# Altium PCB CB3-ECB_PCB.PcbDoc (part 4 of 4)
Units mm, origin at the board's own origin, x right, y up, seen from the top; angles counter-clockwise.
Board outline 205.5 x 149.67 mm, 4 copper layers (Top Layer, Layer 1, Layer 2, Bottom Layer), stack 1.56 mm thick; 352 components, 259 nets, 1548 pads, 901 vias.
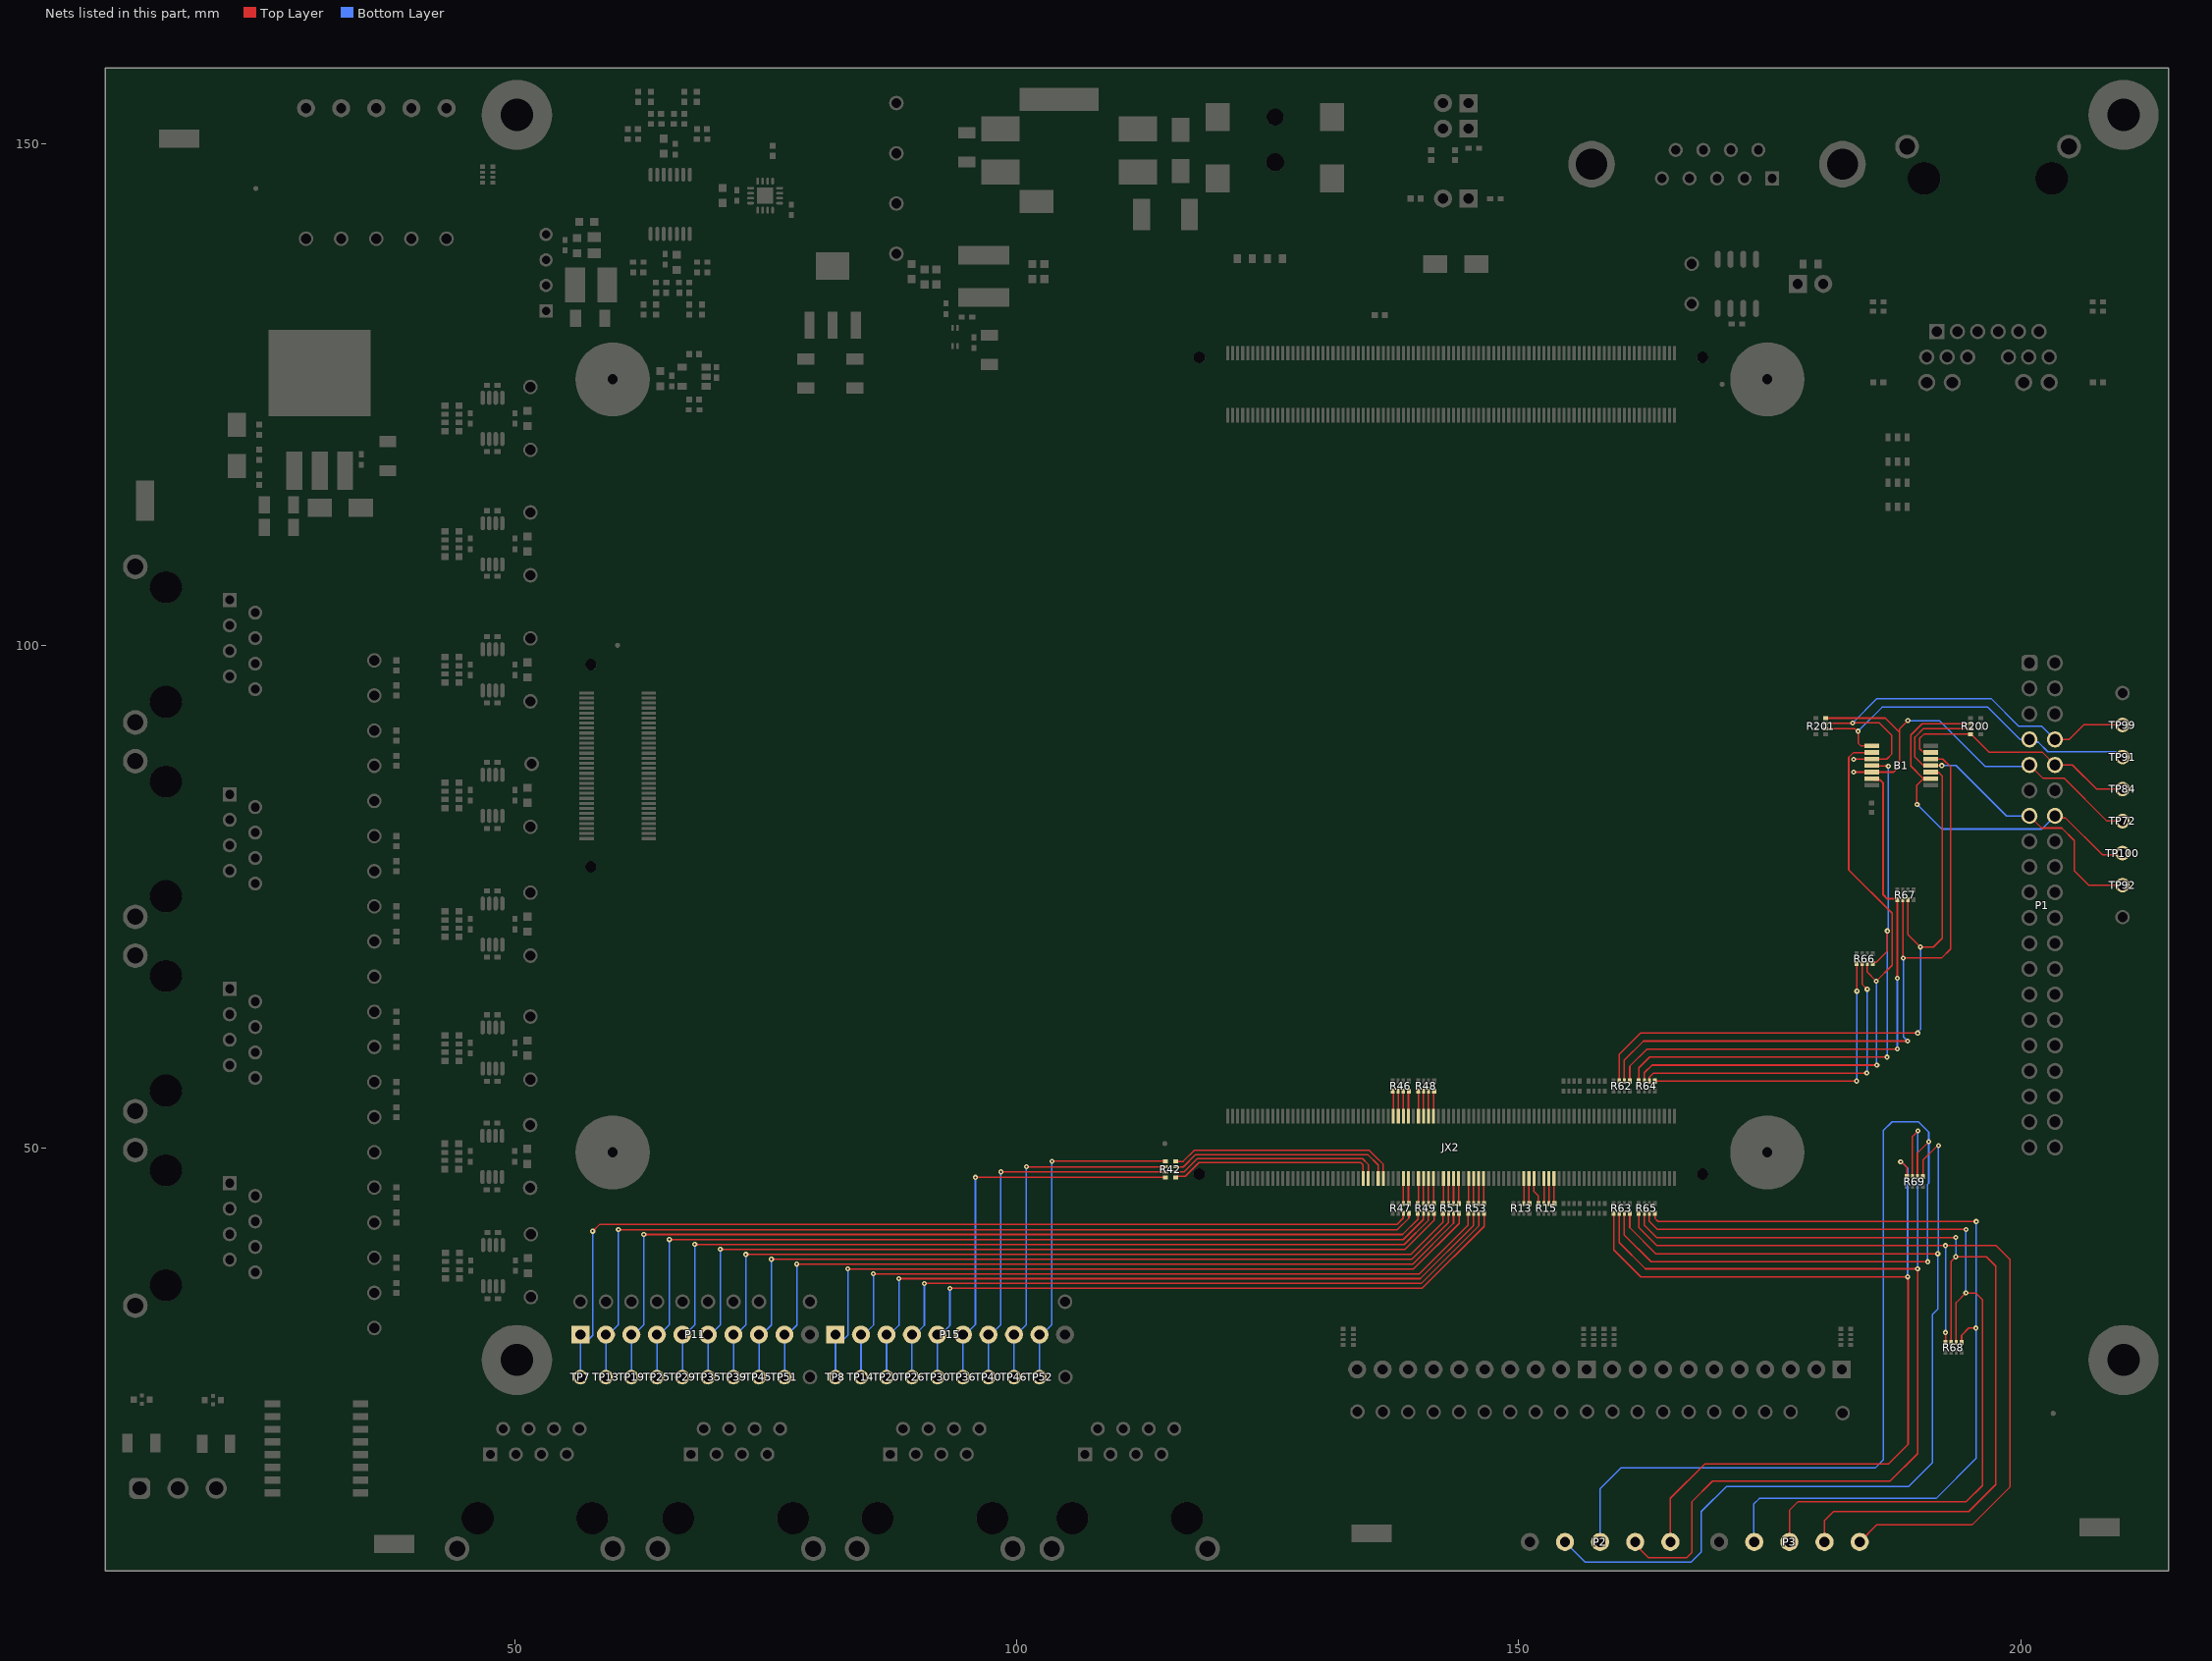
[diagram p6: the nets of this part, all layers, seen from the top]

## Via types
v1: diameter 0.508, hole 0.2, Top Layer to Bottom Layer, 457 vias
v2: diameter 0.508, hole 0.2, Top Layer to Bottom Layer, tented both sides, 440 vias
v3: diameter 0.508/0.508/0.508/0.508 (per signal layer), hole 0.2, Top Layer to Bottom Layer, tented both sides, 3 vias
v4: diameter 0.66, hole 0.33, Top Layer to Bottom Layer, tented both sides, 1 vias

## Nets (pads, with @x,y where several pads share a name; then routed paths per layer and width w, separated by ;. In a path a pad name is that pad's centre, name@x,y a point inside that pad or via, vN(x,y) a via of type N, cw(c..) or ccw(c..) an arc to the next point about the centre after c; other vN are vias at no path point) (continued)
PWM-1: B1.3 R62.3 R67.3 | length 67.2
  Top Layer w0.152: R62.3@160.005,56.646 160.005,59.317 162.122,61.434 v2(189.728,61.434) ; R67.3@188.75,74.7 188.75,71.25 v2(190,70) 191.3,70 192.175,70.875 192.175,87.025 191.775,87.425 B1.3@191.038,87.425
  Bottom Layer w0.152: v2(189.728,61.434) 189.728,61.53 190,61.802 v2(190,70)
PWM-2: B1.5 R62.2 R67.2 | length 70.8
  Top Layer w0.152: R62.2@160.505,56.646 160.505,58.725 162.416,60.635 v2(188.712,60.635) ; R67.2@188.25,74.7 188.275,74.675 188.275,68.925 v2(188.3,68.9) 192.1,68.9 193,69.8 193,87.95 192.225,88.725 B1.5@191.038,88.725
  Bottom Layer w0.152: v2(188.3,68.9) 188.3,61.047 v2(188.712,60.635)
PWM-3: B1.13 R62.1 R67.1 | length 57.4
  Top Layer w0.152: R62.1@161.055,56.646 161.055,58.132 162.76,59.837 v2(187.696,59.837) ; v2(187.7,66.9) 187.7,74.392
  Top Layer w0.203: B1.13@185.162,86.775 185.285,86.652 185.957,86.652 186.3,86.309 186.3,75.198 186.7,74.798 187.602,74.798 R67.1@187.7,74.7
  Bottom Layer w0.152: v2(187.696,59.837) 187.698,59.839 187.698,66.898 v2(187.7,66.9)
PWM-4: B1.11 R64.4 R66.4 | length 61.2
  Top Layer w0.152: R64.4@161.955,56.646 161.955,57.965 163.029,59.039 v2(186.68,59.039) ; B1.11@185.162,88.075 185.2,88.037 186.763,88.037 v2(186.8,88) ; R66.4@185.253,68.342 185.253,68.345 185.377,68.469 185.593,68.469 186.7,69.576 v2(186.7,71.6)
  Bottom Layer w0.152: v2(186.68,59.039) 186.69,59.049 186.69,71.59 186.768,71.668 186.768,71.835 186.8,71.867 v2(186.8,88)
PWM-5: B1.9 R64.3 R66.3 | length 62.1
  Top Layer w0.152: R64.3@162.505,56.646 162.505,57.474 163.268,58.237 185.66,58.237 v2(185.668,58.244) ; R66.3@184.703,68.342 184.686,68.325 184.686,68.321 184.686,67.514 v2(185.6,66.6) 187.183,68.183 187.183,73.359 182.861,77.681 182.861,88.9 183.336,89.375 B1.9@185.162,89.375
  Bottom Layer w0.152: v2(185.6,66.6) 185.634,66.566 185.634,58.278 v2(185.668,58.244)
PWM-6: R64.2 R66.2 | length 33.3
  Top Layer w0.152: R64.2@163.005,56.646 163.005,57.034 163.417,57.446 v2@184.575,57.446 ; R66.2@184.203,68.342 184.186,68.325 184.186,66.314 v2(184.7,65.8)
  Bottom Layer w0.152: v2(184.652,57.446) 184.676,57.47 184.676,65.776 v2(184.7,65.8)
PWM-7: R64.1 R66.1 | length 31.8
  Top Layer w0.152: R64.1@163.555,56.646 v2(183.636,56.648) ; R66.1@183.653,68.342 183.664,68.331 183.664,65.611 v2(183.675,65.6)
  Bottom Layer w0.152: v2(183.636,56.648) 183.655,56.667 183.655,65.58 v2(183.675,65.6)
PWM-8: P2.1 R63.1 R69.4 | length 94.8
  Top Layer w0.152: R63.1@159.455,43.47 159.455,39.843 162.148,37.15 v2(188.725,37.15) 188.775,37.1 188.775,20.475 186.825,18.525 168.525,18.525 165.1,15.1 P2.1@165.1,10.75 P2.1@165.25,10.9 ; v2(188.025,48.619) 188.106,48.619 188.652,48.073 R69.4@188.652,47.151
  Bottom Layer w0.152: v2(188.025,48.619) 188.106,48.619 188.725,48 v2(188.725,37.15)
PWM-9: P2.2 R63.2 R69.3 | length 106.8
  Top Layer w0.152: R63.2@160.005,43.47 160.005,40.563 162.618,37.95 v2(189.725,37.95) 189.725,19.55 186.975,16.8 169.3,16.8 167.225,14.725 167.225,9.675 166.725,9.175 162.925,9.175 161.6,10.5 P2.2@161.6,10.75 ; R69.3@189.202,47.151 189.202,51.127 v2(189.75,51.675)
  Bottom Layer w0.152: v2(189.725,37.95) 189.737,37.962 189.737,51.663 v2(189.75,51.675)
PWM-10: P2.3 R63.3 R69.2 | length 123.2
  Top Layer w0.152: R63.3@160.505,43.47 160.505,41.333 163.188,38.65 v2(190.725,38.65) ; R69.2@189.702,47.151 189.702,49.477 v2(190.825,50.6)
  Bottom Layer w0.152: P2.3@158.1,10.75 158.1,16.05 160.162,18.112 185.487,18.112 186.325,18.95 186.325,51.75 187.175,52.6 189.8,52.6 190.825,51.575 v2(190.825,50.6) 190.825,46.469 190.706,46.351 190.706,38.669 v2(190.725,38.65)
PWM-11: P2.4 R63.4 R69.1 | length 112.4
  Top Layer w0.152: R63.4@161.055,43.47 161.055,42.053 163.658,39.45 v2(191.725,39.45) ; R69.1@190.252,47.151 190.252,48.772 191.712,50.231 v2(191.8,50.231)
  Bottom Layer w0.152: P2.4@154.6,10.75 156.625,8.725 167.15,8.725 168.175,9.75 168.175,13.775 170.675,16.275 188.825,16.275 191.175,18.625 191.175,33.389 191.725,33.939 v2(191.725,39.45) ; 191.8,39.717 v2(191.8,50.231)
PWM-12: P3.1 R65.1 R68.4 | length 89.2
  Top Layer w0.152: R65.1@161.955,43.47 161.955,42.06 163.747,40.268 v2(192.503,40.268) 197.532,40.268 198.9,38.9 198.9,16.2 195.175,12.475 185.675,12.475 P3.1@183.95,10.75 ; R68.4@192.503,30.623 v2(192.503,31.614)
  Bottom Layer w0.152: v2(192.503,31.614) v2(192.503,40.268)
PWM-13: P3.2 R65.2 R68.3 | length 90.1
  Top Layer w0.152: R65.2@162.505,43.47 162.505,42.302 163.741,41.066 v2(193.519,41.066) ; P3.2@180.45,10.75 180.45,12.875 181.35,13.775 194.8,13.775 197.5,16.475 197.5,38.225 196.575,39.15 v2(193.525,39.15) 193.053,38.678 R68.3@193.053,30.623
  Bottom Layer w0.152: v2(193.519,41.066) 193.522,41.064 193.522,39.153 v2(193.525,39.15)
PWM-14: P3.3 R65.3 R68.2 | length 88.1
  Top Layer w0.152: R65.3@163.005,43.47 163.005,42.667 163.808,41.865 v2(194.535,41.865) ; P3.3@176.95,10.75 176.95,13.9 177.825,14.775 194.575,14.775 196.175,16.375 196.175,34.875 195.5,35.55 v2(194.525,35.55) 193.553,34.578 R68.2@193.553,30.623
  Bottom Layer w0.152: v2(194.525,35.55) 194.53,35.555 194.53,41.86 v2(194.535,41.865)
PWM-15: P3.4 R65.4 R68.1 | length 86.5
  Top Layer w0.152: R65.4@163.555,43.47 163.555,42.982 163.874,42.663 v2(195.551,42.663) ; R68.1@194.103,30.623 194.103,31.334 194.819,32.05 v2(195.525,32.05)
  Bottom Layer w0.152: P3.4@173.45,10.75 173.4,10.8 173.4,14.525 173.95,15.075 191.55,15.075 195.525,19.05 v2(195.525,32.05) 195.538,32.063 195.538,42.65 v2(195.551,42.663)
PWM_U_H: B1.2 P1.14 R200.2 TP100.1 | length 38.6
  Top Layer w0.152: v2(189.675,84.2) 189.65,84.225 189.65,86.124 B1.2@190.301,86.775 ; B1.2@191.038,86.775 B1.2@190.301,86.775 ; R200.2@195,92.25 190.175,92.25 189.05,91.125 189.05,88.026 B1.2@190.301,86.775 ; P1.14@203.4,83.06 203.589,82.871 204.429,82.871 208.125,79.175 209.946,79.175 TP100.1@210.125,79.354
  Bottom Layer w0.152: v2(189.675,84.2) 192.125,81.75 202.09,81.75 P1.14@203.4,83.06
PWM_U_L: B1.4 P1.13 R200.3 TP92.1 | length 35.6
  Top Layer w0.152: v2(192.125,88.075) B1.4@191.038,88.075 190.301,88.075 189.45,88.926 189.45,90.9 190.3,91.75 R200.3@195,91.75 ; P1.13@200.86,83.06 202.07,81.85 204.075,81.85 205.325,80.6 205.325,77.6 206.761,76.164 TP92.1@210.125,76.164
  Bottom Layer w0.152: v2(192.125,88.075) 193.55,88.075 198.565,83.06 P1.13@200.86,83.06
PWM_V_H: B1.6 P1.10 R200.4 TP84.1 | length 24.9
  Top Layer w0.152: B1.6@191.038,89.375 190.301,89.375 189.932,89.744 189.932,90.788 190.344,91.2 195.05,91.2 196.825,89.425 202.115,89.425 P1.10@203.4,88.14 205.135,88.14 207.543,85.732 TP84.1@210.125,85.732
PWM_V_L: B1.12 P1.9 R201.4 TP72.1 | length 43.2
  Top Layer w0.152: R201.4@180.575,92.8 186.5,92.8 187.9,91.4 ; v2(183.344,87.425) B1.12@185.162,87.425 187.325,87.425 187.9,88 187.9,91.4 ; v2(188.75,92.55) 187.9,91.7 187.9,91.4 ; P1.9@200.86,88.14 202.175,86.825 204.292,86.825 208.574,82.543 TP72.1@210.125,82.543
  Bottom Layer w0.152: v2(188.75,92.55) 191.875,92.55 196.425,88 200.72,88 P1.9@200.86,88.14
PWM_W_H: B1.10 P1.8 R201.3 TP99.1 | length 43.2
  Top Layer w0.152: R201.3@180.575,92.25 180.609,92.284 183.216,92.284 v3(183.25,92.317) ; v3@183.25,92.325 183.258,92.317 185.908,92.317 187.15,91.075 187.15,89.225 186.65,88.725 B1.10@185.162,88.725 183.369,88.725 v2(183.344,88.7) ; P1.8@203.4,90.68 204.805,90.68 206.275,92.15 210.086,92.15 TP99.1@210.125,92.111
  Bottom Layer w0.152: v3(183.25,92.317) 185.678,94.745 197.03,94.745 199.8,91.975 202.105,91.975 P1.8@203.4,90.68
PWM_W_L: B1.8 P1.7 R201.2 TP91.1 | length 35.4
  Top Layer w0.152: R201.2@180.575,91.75 183.454,91.75 183.704,91.5 v3(183.8,91.5) 183.8,90.314 184.089,90.025 B1.8@185.162,90.025
  Bottom Layer w0.152: v3(183.8,91.5) 186.183,93.883 196.717,93.883 199.92,90.68 P1.7@200.86,90.68 201.134,90.406 201.736,90.406 202.693,89.45 209.431,89.45 209.96,88.921 TP91.1@210.125,88.921
SPI1_LATCH: JX2.121 R13.2 | length 2.5
  Top Layer w0.152: R13.2@150.505,44.47 JX2.121@150.505,46.96
SPI1_MISO: JX2.120 R13.1 | length 2.5
  Top Layer w0.152: JX2.120@151.005,46.96 151.005,44.52 R13.1@151.055,44.47
SPI1_MOSI: JX2.116 R15.2 | length 2.5
  Top Layer w0.152: R15.2@153.005,44.47 JX2.116@153.005,46.96
SPI1_nCS: JX2.117 R15.3 | length 2.5
  Top Layer w0.152: R15.3@152.505,44.47 JX2.117@152.505,46.96
SPI1_nRST: JX2.115 R15.1 | length 2.5
  Top Layer w0.152: JX2.115@153.505,46.96 153.505,44.52 R15.1@153.555,44.47
SPI1_SCLK: JX2.119 R15.4 | length 2.7
  Top Layer w0.152: JX2.119@151.505,46.96 151.505,45.67 151.955,45.22 R15.4@151.955,44.47
USER18: P11.1 R47.3 TP7.1 | length 98.1
  Top Layer w0.152: v2@57.783,41.693 58.452,42.362 137.513,42.362 137.852,42.362 138.505,43.015 R47.3@138.505,43.47
  Bottom Layer w0.152: TP7.1@56.55,27.162 56.559,27.171 56.559,31.391 P11.1@56.55,31.4 57.202,30.748 57.788,31.335 57.788,41.688 v2(57.779,41.698)
USER19: P11.2 R47.4 TP13.1 | length 95
  Top Layer w0.152: v2(60.328,41.854) 137.706,41.854 137.919,41.854 139.055,42.99 R47.4@139.055,43.47
  Bottom Layer w0.152: TP13.1@59.09,27.162 59.099,27.171 59.099,31.391 P11.2@59.09,31.4 59.342,31.4 60.328,32.386 v2(60.328,41.854)
USER20: P11.3 R49.1 TP19.1 | length 93.2
  Top Layer w0.152: v2@62.868,41.371 138.076,41.371 138.427,41.371 139.955,42.899 R49.1@139.955,43.47
  Bottom Layer w0.152: TP19.1@61.63,27.162 61.639,27.171 61.639,31.391 P11.3@61.63,31.4 61.886,31.4 62.868,32.382 v2(62.868,41.368)
USER21: P11.4 R49.2 TP25.1 | length 90.9
  Top Layer w0.152: v2(65.408,40.863) 138.244,40.863 138.494,40.863 140.505,42.875 R49.2@140.505,43.47
  Bottom Layer w0.152: TP25.1@64.17,27.162 64.179,27.171 64.179,31.391 P11.4@64.17,31.4 64.43,31.4 65.408,32.378 v2(65.408,40.863)
USER22: P11.5 R49.3 TP29.1 | length 88.6
  Top Layer w0.152: v2(67.948,40.381) 138.412,40.381 138.586,40.381 141.005,42.8 R49.3@141.005,43.47
  Bottom Layer w0.152: TP29.1@66.71,27.162 66.719,27.171 66.719,31.391 P11.5@66.71,31.4 66.974,31.4 67.948,32.374 v2(67.948,40.381)
USER23: P11.6 R49.4 TP35.1 | length 86.4
  Top Layer w0.152: v2@70.488,39.898 138.678,39.898 141.555,42.775 R49.4@141.555,43.47
  Bottom Layer w0.152: TP35.1@69.25,27.162 69.259,27.171 69.259,31.391 P11.6@69.25,31.4 69.518,31.4 70.488,32.37 v2(70.488,39.894)
USER24: P11.7 R51.1 TP39.1 | length 84.5
  Top Layer w0.152: v2(73.028,39.39) 139.257,39.39 142.455,42.588 R51.1@142.455,43.47
  Bottom Layer w0.152: TP39.1@71.79,27.162 71.799,27.171 71.799,31.391 P11.7@71.79,31.4 72.063,31.4 73.028,32.365 v2(73.028,39.39)
USER25: P11.8 R51.2 TP45.1 | length 82.3
  Top Layer w0.152: v2(75.568,38.904) 138.889,38.904 139.346,38.904 143.005,42.563 R51.2@143.005,43.47
  Bottom Layer w0.152: TP45.1@74.33,27.162 74.339,27.171 74.339,31.391 P11.8@74.33,31.4 74.609,31.4 75.568,32.359 v2(75.568,38.904)
USER26: P11.9 R51.3 TP51.1 | length 80
  Top Layer w0.152: v2(78.108,38.421) 80.766,38.421 139.438,38.421 143.505,42.489 R51.3@143.505,43.47
  Bottom Layer w0.152: TP51.1@76.87,27.162 76.879,27.171 76.879,31.391 P11.9@76.87,31.4 77.155,31.4 78.108,32.353 v2(78.108,38.421)
USER27: P15.1 R51.4 TP8.1 | length 76.4
  Top Layer w0.152: v2(83.179,37.939) 139.53,37.939 144.055,42.464 R51.4@144.055,43.47
  Bottom Layer w0.152: TP8.1@81.95,27.162 81.959,27.171 81.959,31.391 P15.1@81.95,31.4 82.602,30.748 83.188,31.335 v2@83.188,37.939
USER28: P15.2 R53.1 TP14.1 | length 73.4
  Top Layer w0.152: v2(85.728,37.456) 140.1,37.456 144.955,42.311 R53.1@144.955,43.47
  Bottom Layer w0.152: TP14.1@84.49,27.162 84.499,27.171 84.499,31.391 P15.2@84.49,31.4 84.79,31.4 85.728,32.338 v2(85.728,37.456)
USER29: P15.3 R53.2 TP20.1 | length 71.2
  Top Layer w0.152: v2@88.268,36.796 88.446,36.973 139.714,36.973 140.192,36.973 145.505,42.287 R53.2@145.505,43.47
  Bottom Layer w0.152: TP20.1@87.03,27.162 87.039,27.171 87.039,31.391 P15.3@87.03,31.4 87.339,31.4 88.268,32.329 v2(88.268,36.973)
USER30: P15.4 R53.3 TP26.1 | length 68.9
  Top Layer w0.152: v2(90.808,36.491) 139.807,36.491 140.284,36.491 146.005,42.212 R53.3@146.005,43.47
  Bottom Layer w0.152: TP26.1@89.57,27.162 89.579,27.171 89.579,31.391 P15.4@89.57,31.4 89.889,31.4 90.808,32.319 v2(90.808,36.491)
USER31: P15.5 R53.4 TP30.1 | length 66.6
  Top Layer w0.152: v2(93.348,36.008) 139.899,36.008 140.376,36.008 146.555,42.187 R53.4@146.555,43.47
  Bottom Layer w0.152: TP30.1@92.11,27.162 92.119,27.171 92.119,31.391 P15.5@92.11,31.4 92.442,31.4 93.348,32.306 v2(93.348,36.008)
USER32: P15.6 R42.4 TP36.1 | length 39.5
  Top Layer w0.152: v2(95.888,47.062) 114.813,47.062 R42.4@114.825,47.05
  Bottom Layer w0.152: TP36.1@94.65,27.162 94.659,27.171 94.659,31.391 P15.6@94.65,31.4 94.879,31.4 95.888,32.409 v2(95.888,47.062)
USER33: P15.7 R42.3 TP40.1 | length 37.5
  Top Layer w0.152: v2@98.428,47.612 114.813,47.612 R42.3@114.825,47.6
  Bottom Layer w0.152: TP40.1@97.19,27.162 97.199,27.171 97.199,31.391 P15.7@97.19,31.4 97.417,31.4 98.428,32.411 v2(98.428,47.604)
USER34: P15.8 R42.2 TP46.1 | length 35.5
  Top Layer w0.152: v2(100.968,48.112) 114.813,48.112 R42.2@114.825,48.1
  Bottom Layer w0.152: TP46.1@99.73,27.162 99.739,27.171 99.739,31.391 P15.8@99.73,31.4 99.956,31.4 100.968,32.412 v2(100.968,48.112)
USER35: P15.9 R42.1 TP52.1 | length 33.5
  Top Layer w0.152: v2(103.508,48.662) 114.813,48.662 R42.1@114.825,48.65
  Bottom Layer w0.152: TP52.1@102.27,27.162 102.279,27.171 102.279,31.391 P15.9@102.27,31.4 102.494,31.4 103.508,32.414 v2(103.508,48.662)
USR0: JX2.34 R46.5 | length 2.5
  Top Layer w0.152: JX2.34@137.505,53.15 R46.5@137.505,55.646
USR1: JX2.35 R46.6 | length 2.5
  Top Layer w0.152: JX2.35@138.005,53.15 R46.6@138.005,55.646
USR2: JX2.36 R46.7 | length 2.5
  Top Layer w0.152: JX2.36@138.505,53.15 R46.7@138.505,55.646
USR3: JX2.37 R46.8 | length 2.5
  Top Layer w0.152: JX2.37@139.005,53.15 R46.8@139.005,55.646
USR4: JX2.39 R48.5 | length 2.5
  Top Layer w0.152: JX2.39@140.005,53.15 R48.5@140.005,55.646
USR5: JX2.40 R48.6 | length 2.5
  Top Layer w0.152: JX2.40@140.505,53.15 R48.6@140.505,55.646
USR6: JX2.41 R48.7 | length 2.5
  Top Layer w0.152: JX2.41@141.005,53.15 R48.7@141.005,55.646
USR7: JX2.42 R48.8 | length 2.5
  Top Layer w0.152: JX2.42@141.505,53.15 R48.8@141.505,55.646
USR18: JX2.145 R47.6 | length 2.5
  Top Layer w0.152: R47.6@138.505,44.47 JX2.145@138.505,46.96
USR19: JX2.144 R47.5 | length 2.5
  Top Layer w0.152: R47.5@139.005,44.47 JX2.144@139.005,46.96
USR20: JX2.142 R49.8 | length 2.5
  Top Layer w0.152: R49.8@140.005,44.47 JX2.142@140.005,46.96
USR21: JX2.141 R49.7 | length 2.5
  Top Layer w0.152: R49.7@140.505,44.47 JX2.141@140.505,46.96
USR22: JX2.140 R49.6 | length 2.5
  Top Layer w0.152: R49.6@141.005,44.47 JX2.140@141.005,46.96
USR23: JX2.139 R49.5 | length 2.5
  Top Layer w0.152: R49.5@141.505,44.47 JX2.139@141.505,46.96
USR24: JX2.137 R51.8 | length 2.5
  Top Layer w0.152: R51.8@142.505,44.47 JX2.137@142.505,46.96
USR25: JX2.136 R51.7 | length 2.5
  Top Layer w0.152: R51.7@143.005,44.47 JX2.136@143.005,46.96
USR26: JX2.135 R51.6 | length 2.5
  Top Layer w0.152: R51.6@143.505,44.47 JX2.135@143.505,46.96
USR27: JX2.134 R51.5 | length 2.5
  Top Layer w0.152: R51.5@144.005,44.47 JX2.134@144.005,46.96
USR28: JX2.132 R53.8 | length 2.5
  Top Layer w0.152: R53.8@145.005,44.47 JX2.132@145.005,46.96
USR29: JX2.131 R53.7 | length 2.5
  Top Layer w0.152: R53.7@145.505,44.47 JX2.131@145.505,46.96
USR30: JX2.130 R53.6 | length 2.5
  Top Layer w0.152: R53.6@146.005,44.47 JX2.130@146.005,46.96
USR31: JX2.129 R53.5 | length 2.5
  Top Layer w0.152: R53.5@146.505,44.47 JX2.129@146.505,46.96
USR32: JX2.153 R42.5 | length 20.7
  Top Layer w0.152: R42.5@115.825,47.05 115.939,47.164 116.796,47.164 118.16,48.528 134.257,48.528 134.505,48.28 JX2.153@134.505,46.96
USR33: JX2.152 R42.6 | length 21.4
  Top Layer w0.152: R42.6@115.825,47.6 116.663,47.6 117.994,48.931 134.43,48.931 135.005,48.355 JX2.152@135.005,46.96
USR34: JX2.150 R42.7 | length 22.4
  Top Layer w0.152: R42.7@115.825,48.1 116.594,48.1 117.827,49.333 134.952,49.333 136.005,48.28 JX2.150@136.005,46.96
USR35: JX2.149 R42.8 | length 23.1
  Top Layer w0.152: R42.8@115.825,48.65 116.575,48.65 117.66,49.735 135.125,49.735 135.815,49.045 136.505,48.355 JX2.149@136.505,46.96
pads on no net: F1.0 F2.0 F3.0 F4.0 F5.0 J6.NC J100. J101. J102. J103. J104. J105. J106. J107. JX1.4 JX1.5 JX1.7 JX1.8 JX1.22 JX1.23 JX1.24 JX1.25 JX1.27 JX1.28 JX1.29 JX1.30 JX1.32 JX1.33 JX1.34 JX1.35 JX1.37 JX1.38 JX1.39 JX1.40 JX1.42 JX1.43 JX1.45 JX1.46 JX1.48 JX1.49 JX1.51 JX1.52 JX1.54 JX1.55 JX1.56 JX1.57 JX1.59 JX1.60 JX1.61 JX1.62 JX1.64 JX1.65 JX1.66 JX1.67 JX1.69 JX1.70 JX1.71 JX1.72 JX1.74 JX1.75 JX1.76 JX1.77 JX1.79 JX1.80 JX1.81 JX1.82 JX1.84 JX1.85 JX1.86 JX1.87 JX1.94 JX1.95 JX1.96 JX1.97 JX1.99 JX1.100 JX1.101 JX1.102 JX1.104 JX1.105 JX1.106 JX1.107 JX1.109 JX1.110 JX1.111 JX1.112 JX1.114 JX1.115 JX1.116 JX1.117 JX1.119 JX1.120 JX1.121 JX1.122 JX1.124 JX1.125 JX1.126 JX1.127 JX1.129 JX1.130 JX1.132 JX1.133 JX1.135 JX1.136 JX1.138 JX1.139 JX1.141 JX1.142 JX1.143 JX1.144 JX1.146 JX1.147 JX1.148 JX1.149 JX1.151 JX1.152 JX1.153 JX1.154 JX1.156 JX1.157 JX1.158 JX1.159 JX1.161 JX1.162 JX1.164 JX1.165 JX1.170 JX1.171 JX1.173 JX1.174 JX1.H1 JX1.H2 JX2.5 JX2.6 JX2.9 JX2.10 JX2.44 JX2.45 JX2.46 JX2.47 JX2.49 JX2.50 JX2.51 JX2.52 JX2.54 JX2.55 JX2.56 JX2.57 JX2.58 JX2.60 JX2.61 JX2.62 JX2.64 JX2.65 JX2.66 JX2.123 JX2.124 JX2.125 JX2.126 JX2.127 JX2.146 JX2.147 JX2.H1 JX2.H2 JX3.2 JX3.3 JX3.5 JX3.6 JX3.7 JX3.8 JX3.53 JX3.54 JX3.55 JX3.56 JX3.58 JX3.59 JX3.NC LAN1.1 LAN1.2 LAN1.3 LAN1.4 LAN1.5 LAN1.6 LAN1.7 LAN1.8 LAN1.12 LAN1.13 P1.15 P1.16 P1.17 P1.20 P1.22 P1.23 P1.24 P1.25 P1.26 P1.27 P1.28 P1.31 P1.32 P1.33 P1.34 P1.35 P1.36 P1.37 P1.38 P1.39 P1.40 P10.1 P10.4 P10.5 P10.8 P10.9 P17.2 P19.H1 P19.H2 R13.3 R13.4 R13.5 R13.6 R47.1 R47.2 R47.7 R47.8 R200.1 R201.1 U12.2 U17.5 U17.8

## Polygon pours and split planes (outlines as drawn)
GND on Top Layer "GND_L01_P000" (solid, pour order 0): 108.725,157.55 108.725,140.85 92.725,140.85 92.725,145.65 100.625,145.65 100.625,148.75 92.725,148.75 92.725,157.55
5V2 on Top Layer "5V2_L01_P001" (solid, pour order 1): 19.975,135.55 41.975,135.55 41.975,121.55 19.975,121.55
+12V on Layer 2 "+12V_L03_P003" (solid, pour order 3): 92.725,136.8 42.225,136.8 42.225,121.3 35.475,121.3 35.475,116.05 46.475,116.05 46.475,124.8 59.475,124.8 59.475,127.05 92.725,127.05 92.725,114.05 118.725,114.05 118.725,43.55 136.475,43.55 136.475,136.05 100.725,136.05 100.725,148.55 92.725,148.55 92.725,155.55 86.725,155.55 86.725,151.8 89.475,151.8 89.475,142.8 92.725,142.8
GND on Layer 2 "GND_L03_P008" (solid, pour order 8): 9.225,157.55 214.725,157.55 214.725,7.875 9.225,7.875
3V3 on Layer 2 "3V3_L03_P004" (solid, pour order 4): 195.5,93.1 196.7,93.1 196.7,108.9 196.7,112.8 188.975,112.8 188.975,124.05 185.725,124.05 185.725,136.55 208.225,136.55 208.225,125.55 210.225,125.55 210.225,140.8 147.475,140.8 147.475,152.78 143.725,152.78 143.725,140.8 100.975,140.8 100.975,136.3 136.715,136.3 136.715,130.05 181.475,130.05 181.475,121.3 186.475,121.3 186.475,112.8 178.95,112.8 178.95,108.75 178.95,93.187 180.05,93.187 180.05,108.65 180.05,111.6 195.5,111.6
5V2 on Layer 2 "5V2_L03_P007" (solid, remove dead copper, pour order 7): 59.725,144.55 59.725,140.05 57.475,140.05 57.475,144.55 21.15,144.55 21.15,110.3 46.725,110.3 46.725,28.55 54.475,28.55 54.475,76.05 64.975,76.05 64.975,100.05 54.475,100.05 54.475,120.55 66.725,120.55 66.725,126.8 59.725,126.8 59.725,124.55 46.725,124.55 46.725,115.8 35.225,115.8 35.225,121.55 41.975,121.55 41.975,136.8 42.225,137.05 71.975,137.05 71.975,151.3 82.975,151.3 82.975,142.8 89.225,142.8 89.225,147.55 84.725,147.55 84.725,152.3 68.725,152.3 68.725,144.55
-5V on Layer 2 "-5V_L03_P006" (solid, pour order 6): 86.475,153.55 86.475,151.55 89.225,151.55 89.225,147.8 84.975,147.8 84.975,152.55 68.475,152.55 68.475,144.8 59.475,144.8 59.475,140.3 57.725,140.3 57.725,151.55 57.725,153.55
3V3 on Layer 2 "3V3_L03_P005" (solid, pour order 5): 72.225,151.05 82.725,151.05 82.725,142.55 92.475,142.55 92.475,137.05 72.225,137.05
GND on Layer 1 "GND_L02_P010" (solid, pour order 10): 9.225,7.785 214.725,7.785 214.725,157.55 9.225,157.55

## Other copper
Top Layer:
  rectangle net +12V: 94.55,127.485 96.3,130.235
  rectangle net -15V_1: 19.075,34.7 20.575,97.25
  rectangle net -15V_1: 40.425,17.1 113.375,18.6
  rectangle net GND: 14.95,14.75 17.925,18.425
  rectangle net GND: 12.55,18.2 20.3,22.875
  rectangle net GND: 100.6,135.05 103.725,136.925
  rectangle net GND: 92.65,130.26 93.225,130.625
  rectangle net GND: 88.575,135.05 92.825,136.925
  rectangle net 3V3: 87.225,137.625 105.725,140.225
  rectangle net NetC58_1: 95.275,131.21 96.225,134
  rectangle net NetC58_1: 94.525,131.21 96.225,131.985
  rectangle net +12V: 96.05,127.485 98.3,128.985
  rectangle net GND: 91.55,130.506 98.05,131.014
  rectangle net +12V: 92.725,145.85 100.425,148.55
  pour cut-out: 44.466,108.757 44.916,108.757 45.659,108.014 45.749,107.977 46.695,107.977 46.695,107.274 46.732,107.184 47.159,106.757 ccw(c47.249,106.847) 47.377,106.847 47.339,106.937 46.95,107.327 46.95,108.104 ccw(c46.822,108.104) 46.822,108.232 45.802,108.232 45.059,108.974 44.969,109.012 44.594,109.012 44.594,109.754 ccw(c44.466,109.754) 44.339,109.754 44.339,108.884 ccw(c44.466,108.884)
Layer 1:
  pour cut-out: 47,36.202 47.1,36.302 47.1,37.777 47.225,37.902 47.625,37.902 47.625,38.502 46.875,38.502 46.875,38.077 46.525,37.727 46.525,37.102 45.675,37.102 44.9,36.327 44.9,36.552 44.05,36.552 44.05,34.977 44.9,34.977 44.9,36.002 45.075,36.002 45.825,36.752 46.525,36.752 46.525,36.327 46.65,36.202
  pour cut-out: 47,48.915 47.1,49.015 47.1,50.49 47.225,50.615 47.625,50.615 47.625,51.215 46.875,51.215 46.875,50.79 46.525,50.44 46.525,49.815 45.675,49.815 44.9,49.04 44.9,49.265 44.05,49.265 44.05,47.69 44.9,47.69 44.9,48.715 45.075,48.715 45.825,49.465 46.525,49.465 46.525,49.04 46.65,48.915
  pour cut-out: 47,61.259 47.1,61.359 47.1,62.834 47.225,62.959 47.625,62.959 47.625,63.559 46.875,63.559 46.875,63.134 46.525,62.784 46.525,62.159 45.675,62.159 44.9,61.384 44.9,61.609 44.05,61.609 44.05,60.034 44.9,60.034 44.9,61.059 45.075,61.059 45.825,61.809 46.525,61.809 46.525,61.384 46.65,61.259
  pour cut-out: 47,73.604 47.1,73.704 47.1,75.179 47.225,75.304 47.625,75.304 47.625,75.904 46.875,75.904 46.875,75.479 46.525,75.129 46.525,74.504 45.675,74.504 44.9,73.729 44.9,73.954 44.05,73.954 44.05,72.379 44.9,72.379 44.9,73.404 45.075,73.404 45.825,74.154 46.525,74.154 46.525,73.729 46.65,73.604
  pour cut-out: 47,86.431 47.1,86.531 47.1,88.006 47.225,88.131 47.625,88.131 47.625,88.731 46.875,88.731 46.875,88.306 46.525,87.956 46.525,87.331 45.675,87.331 44.9,86.556 44.9,86.781 44.05,86.781 44.05,85.206 44.9,85.206 44.9,86.231 45.075,86.231 45.825,86.981 46.525,86.981 46.525,86.556 46.65,86.431
  pour cut-out: 47,98.927 47.1,99.027 47.1,100.502 47.225,100.627 47.625,100.627 47.625,101.227 46.875,101.227 46.875,100.802 46.525,100.452 46.525,99.827 45.675,99.827 44.9,99.052 44.9,99.277 44.05,99.277 44.05,97.702 44.9,97.702 44.9,98.727 45.075,98.727 45.825,99.477 46.525,99.477 46.525,99.052 46.65,98.927
  pour cut-out: 47,123.972 47.1,124.072 47.1,125.547 47.225,125.672 47.625,125.672 47.625,126.272 46.875,126.272 46.875,125.847 46.525,125.497 46.525,124.872 45.675,124.872 44.9,124.097 44.9,124.322 44.05,124.322 44.05,122.747 44.9,122.747 44.9,123.772 45.075,123.772 45.825,124.522 46.525,124.522 46.525,124.097 46.65,123.972
  pour cut-out: 47,121.331 47.1,121.231 47.1,119.756 47.134,119.722 47.625,119.722 47.625,119.147 46.875,119.147 46.875,119.456 46.525,119.806 46.525,120.431 45.675,120.431 44.9,121.206 44.9,120.981 44.05,120.981 44.05,122.556 44.9,122.556 44.9,121.531 45.075,121.531 45.825,120.781 46.525,120.781 46.525,121.206 46.65,121.331
  pour cut-out: 47,33.561 47.1,33.461 47.1,31.986 47.134,31.952 47.625,31.952 47.625,31.377 46.875,31.377 46.875,31.686 46.525,32.036 46.525,32.661 45.675,32.661 44.9,33.436 44.9,33.211 44.05,33.211 44.05,34.786 44.9,34.786 44.9,33.761 45.075,33.761 45.825,33.011 46.525,33.011 46.525,33.436 46.65,33.561
  pour cut-out: 47,46.274 47.1,46.174 47.1,44.699 47.134,44.665 47.625,44.665 47.625,44.09 46.875,44.09 46.875,44.399 46.525,44.749 46.525,45.374 45.675,45.374 44.9,46.149 44.9,45.924 44.05,45.924 44.05,47.499 44.9,47.499 44.9,46.474 45.075,46.474 45.825,45.724 46.525,45.724 46.525,46.149 46.65,46.274
  pour cut-out: 47,58.618 47.1,58.518 47.1,57.043 47.134,57.009 47.625,57.009 47.625,56.434 46.875,56.434 46.875,56.743 46.525,57.093 46.525,57.718 45.675,57.718 44.9,58.493 44.9,58.268 44.05,58.268 44.05,59.843 44.9,59.843 44.9,58.818 45.075,58.818 45.825,58.068 46.525,58.068 46.525,58.493 46.65,58.618
  pour cut-out: 47,70.962 47.1,70.862 47.1,69.387 47.134,69.354 47.625,69.354 47.625,68.779 46.875,68.779 46.875,69.087 46.525,69.437 46.525,70.062 45.675,70.062 44.9,70.837 44.9,70.612 44.05,70.612 44.05,72.187 44.9,72.187 44.9,71.162 45.075,71.162 45.825,70.412 46.525,70.412 46.525,70.837 46.65,70.962
  pour cut-out: 47,83.789 47.1,83.689 47.1,82.214 47.134,82.181 47.625,82.181 47.625,81.606 46.875,81.606 46.875,81.914 46.525,82.264 46.525,82.889 45.675,82.889 44.9,83.664 44.9,83.439 44.05,83.439 44.05,85.014 44.9,85.014 44.9,83.989 45.075,83.989 45.825,83.239 46.525,83.239 46.525,83.664 46.65,83.789
  pour cut-out: 47,96.286 47.1,96.186 47.1,94.711 47.134,94.677 47.625,94.677 47.625,94.102 46.875,94.102 46.875,94.411 46.525,94.761 46.525,95.386 45.675,95.386 44.9,96.161 44.9,95.936 44.05,95.936 44.05,97.511 44.9,97.511 44.9,96.486 45.075,96.486 45.825,95.736 46.525,95.736 46.525,96.161 46.65,96.286
  pour cut-out: 47,108.834 47.1,108.734 47.1,107.259 47.134,107.225 47.625,107.225 47.625,106.65 46.875,106.65 46.875,106.959 46.525,107.309 46.525,107.934 45.675,107.934 44.9,108.709 44.9,108.484 44.05,108.484 44.05,110.059 44.9,110.059 44.9,109.034 45.075,109.034 45.825,108.284 46.525,108.284 46.525,108.709 46.65,108.834
  pour cut-out: 47,111.475 47.1,111.575 47.1,113.05 47.225,113.175 47.625,113.175 47.625,113.775 46.875,113.775 46.875,113.35 46.525,113 46.525,112.375 45.675,112.375 44.9,111.6 44.9,111.825 44.05,111.825 44.05,110.25 44.9,110.25 44.9,111.275 45.075,111.275 45.825,112.025 46.525,112.025 46.525,111.6 46.65,111.475
Layer 2:
  rectangle net +15V_1: 18.694,25.35 20.194,104.875
  rectangle net +15V_2: 27.825,23.05 113.6,24.55
  rectangle net +15V_2: 26.15,27.425 27.65,103.6
  rectangle net +15V_1: 25.6,16.325 113.6,17.825
Multi-Layer:
  pour cut-out: 109.025,157.55 109.025,140.85 133.525,140.85 133.525,157.55

## Silkscreen, mask and mechanical layers (free items; w line width, h text height)
Top Overlay:
  drawing of 69 lines, arcs and shapes, not listed
  text "GND" at 137.008,153.518 h1.8
  text "IN" at 147.325,153.518 h1.8
  text "12V" at 79.786,153.227 h2.5
  text "OUT" at 137.171,150.978 h1.8
  text "3V3" at 147.326,150.986 h1.8
  text "-5V" at 79.786,148.231 h2.5
  text "GND" at 13.674,146.684 h2.5
  text "Force Fault" at 140.038,146.496 h1.8
  text "5.2V" at 79.786,143.235 h2.5
  text "3" at 28.919,142.191 h1.8
  text "0" at 39.391,142.191 h1.8
  text "GND" at 41.692,142.185 h1.8
  text "2" at 32.412,142.175 h1.8
  text "1" at 36.073,142.175 h1.8
  text "POWER 12V" at 118.225,139.75 h2.5
  text "FAULTS" at 135.225,139.75 h2.5
  text "CAN BUS" at 154.225,139.75 h2.5
  text "3.3V" at 79.786,138.239 h2.5
  text "CAN_TX" at 160.245,137.608 h1.8
  text "Power ON" at 122.41,136.518 h1.8
  text "DAC" at 26.25,135.2 h2.5
  text "CAN_RX" at 160.183,133.608 h1.8
  text "Termination" at 174.944,133.015 h1.8
  text "7-" at 51.133,126.985 h1.8
  text "ETHERNET" at 187.225,122.05 h2.5
  text "JX1" at 117.643,120.951 h1.8
  text "GND" at 14.804,117.379 h2.5 r270
  text "7+" at 50.915,117.317 h1.8
  text "B-Board PRO should be mounted here" at 93.25,116.461 h3
  text "6-" at 51.113,114.504 h1.8
  text "Rev. A" at 199.875,108.07 h2
  text "Adeel Jamal" at 199.875,106.149 h2
  text "6+" at 50.895,104.837 h1.8
  text "02.08.2024" at 199.875,104.324 h2
  text "CH7" at 27.219,103.25 h4 r270
  text "5-" at 51.121,101.957 h1.8
  text "ANALOG INPUTS" at 39.275,101.3 h2.5 r270
  text "7P" at 32.775,99.322 h1.8 r270
  text "7N" at 32.775,95.899 h1.8 r270
  text "GND" at 212.637,94.45 h1 r90
  text "6P" at 32.791,92.342 h1.8 r270
  text "5+" at 50.903,92.289 h1.8
  text "W_H" at 213.748,91.286 h1 r90
  text "PWM" at 212.625,91.217 h1 r90
  text "4-" at 51.098,89.444 h1.8
  text "6N" at 32.791,88.919 h1.8 r270
  text "W_L" at 213.748,88.082 h1 r90
  text "PWM" at 212.625,87.984 h1 r90
  text "JX3" at 65.126,87.355 h1.8
  text "GND" at 32.785,86.108 h1.8 r270
  text "V_H" at 213.748,84.9 h1 r90
  text "PWM" at 212.625,84.751 h1 r90
  text "CH6" at 27.223,83.675 h4 r270
  text "V_L" at 213.748,81.875 h1 r90
  text "5P" at 32.791,81.834 h1.8 r270
  text "PWM" at 212.625,81.518 h1 r90
  text "4+" at 50.88,79.776 h1.8
  text "U_H" at 213.748,78.485 h1 r90
  text "5N" at 32.791,78.41 h1.8 r270
  text "PWM" at 212.625,78.285 h1 r90
  text "3-" at 51.121,76.633 h1.8
  text "U_L" at 213.748,75.28 h1 r90
  text "PWM" at 212.625,75.053 h1 r90
  text "4P" at 32.775,74.857 h1.8 r270
  text "GND" at 212.637,71.975 h1 r90
  text "4N" at 32.775,71.434 h1.8 r270
  text "GND" at 32.785,68.608 h1.8 r270
  text "3+" at 50.903,66.965 h1.8
  text "3P" at 32.791,64.334 h1.8 r270
  text "2-" at 51.121,64.272 h1.8
  text "CH5" at 27.223,64.1 h4 r270
  text "3N" at 32.791,60.91 h1.8 r270
  text "2P" at 32.775,57.334 h1.8 r270
  text "2+" at 50.904,54.605 h1.8
  text "JX2" at 117.631,54.151 h1.8
  text "2N" at 32.775,53.91 h1.8 r270
  text "1-" at 51.145,53.478 h1.8
  text "GND" at 32.785,51.108 h1.8 r270
  text "1P" at 32.775,46.785 h1.8 r270
  text "CH4" at 27.219,44.6 h4 r270
  text "1+" at 50.928,43.81 h1.8
  text "1N" at 32.775,43.361 h1.8 r270
  text "0-" at 51.163,42.616 h1.8
  text "S120 INTERFACE" at 195.65,42.325 h1.8
  text "Carrier Board for B-Board PRO Interfacing with S120" at 77.107,40.464 h3
  text "0P" at 32.791,39.84 h1.8 r270
  text "USER" at 54.599,36.977 h2.5
  text "GPI                                  GPO" at 131.282,36.977 h2.5
  text "0N" at 32.791,36.416 h1.8 r270
  text "GND" at 103.472,35.977 h1.8
  text "0" at 56.173,35.901 h1.8
  text "1" at 58.941,35.901 h1.8
  text "2" at 61.278,35.901 h1.8
  text "3" at 63.818,35.901 h1.8
  text "4" at 66.358,35.901 h1.8
  text "5" at 68.974,35.901 h1.8
  text "6" at 71.514,35.901 h1.8
  text "7" at 74.131,35.901 h1.8
  text "GND" at 77.869,35.876 h1.8
  text "GND" at 32.785,33.608 h1.8 r270
  text "0+" at 50.946,32.949 h1.8
  text "18" at 55.488,28.591 h1.8
  text "19" at 58.104,28.591 h1.8
  text "20" at 60.619,28.591 h1.8
  text "21" at 63.337,28.591 h1.8
  text "22" at 65.75,28.591 h1.8
  text "23" at 68.341,28.591 h1.8
  text "24" at 70.931,28.591 h1.8
  text "25" at 73.497,28.591 h1.8
  text "26" at 76.037,28.591 h1.8
  text "GND" at 77.95,28.6 h1.8
  text "27" at 81.168,28.591 h1.8
  text "28" at 83.682,28.591 h1.8
  text "29" at 86.222,28.591 h1.8
  text "30" at 88.788,28.591 h1.8
  text "31" at 91.404,28.591 h1.8
  text "32" at 93.842,28.591 h1.8
  text "33" at 96.382,28.591 h1.8
  text "34" at 98.922,28.591 h1.8
  text "35" at 101.462,28.591 h1.8
  text "GND" at 103.748,28.591 h1.8
  text "0" at 153.532,25.014 h1.8
  text "6" at 164.073,25.024 h1.8
  text "5" at 166.639,25.024 h1.8
  text "4" at 169.153,25.024 h1.8
  text "3" at 171.693,25.024 h1.8
  text "2" at 174.259,25.024 h1.8
  text "1" at 177.002,25.024 h1.8
  text "0" at 179.313,25.024 h1.8
  text "GND" at 132.272,24.988 h1.8
  text "7" at 136.032,24.999 h1.8
  text "6" at 138.546,24.999 h1.8
  text "5" at 141.112,24.999 h1.8
  text "4" at 143.626,24.999 h1.8
  text "3" at 146.166,24.999 h1.8
  text "2" at 148.732,24.999 h1.8
  text "1" at 151.475,24.999 h1.8
  text "GND" at 154.878,24.988 h1.8
  text "GND" at 158.358,24.988 h1.8
  text "7" at 161.838,24.988 h1.8
  text "GND" at 181.015,24.988 h1.8
  text "CH0" at 108.375,24.398 h4
  text "CH3" at 40.025,24.298 h4
  text "CH1" at 88.384,24.093 h4
  text "CH2" at 69.017,24.056 h4
  text "11" at 154.08,20.141 h1.8
  text "14" at 176.266,20.141 h1.8
  text "10" at 157.452,20.124 h1.8
  text "9" at 161.318,20.124 h1.8
  text "8" at 164.816,20.124 h1.8
  text "13" at 179.8,20.124 h1.8
  text "12" at 183.292,20.124 h1.8
  text "GND" at 149.717,20.091 h1.8
  text "GND" at 168.592,20.091 h1.8
  text "15" at 172.724,20.077 h1.8
  text "PWM OUTPUTS" at 186.675,19.555 h2.5 r270
  text "GND" at 204.908,13.804 h2.5
  text "GND" at 132.365,13.179 h2.5
  text "GND" at 35.071,12.154 h2.5
  text "+/-15V" at 23.275,8.636 h3
Mechanical 1:
  lines w0.254: 9.275,7.785 214.775,7.785 214.775,157.46 9.275,157.46 9.275,7.785
  text "4 layers PCB, Finished copper 1oz, Inner copper 1oz" at 10.729,166.585 h3
Drill Drawing:
  drawing of 189 lines, arcs and shapes, not listed
  text "Symbol" at 249.372,104.157 h1.83
  text "Count" at 262.222,104.157 h1.83
  text "Hole Size" at 278.727,104.157 h1.83
  text "Plated" at 307.929,104.157 h1.83
  text "Hole Type" at 320.778,104.157 h1.83
  text "Drill Layer Pair" at 339.416,104.157 h1.83
  text "Via/Pad" at 377.505,104.157 h1.83
  text "Pad Shape" at 392.487,104.157 h1.83
  text "Template" at 411.43,104.157 h1.83
  text "Description" at 436.569,104.157 h1.83
  text "Hole Tolerance (+)" at 458.255,104.157 h1.83
  text "Hole Tolerance (-)" at 492.128,104.157 h1.83
  text "1" at 262.222,100.347 h1.52
  text "12.99mil (0.330mm)" at 278.727,100.347 h1.52
  text "PTH" at 307.929,100.347 h1.52
  text "Round" at 320.778,100.347 h1.52
  text "Top Layer - Bottom Layer" at 339.416,100.347 h1.52
  text "Via" at 377.505,100.347 h1.52
  text "Rounded" at 392.487,100.347 h1.52
  text "v66h33m0mx0" at 411.43,100.347 h1.52
  text "B" at 248.633,100.093 h1.69
  text "1" at 262.222,96.537 h1.52
  text "66.93mil (1.700mm)" at 278.727,96.537 h1.52
  text "NPTH" at 307.929,96.537 h1.52
  text "Round" at 320.778,96.537 h1.52
  text "Top Layer - Bottom Layer" at 339.416,96.537 h1.52
  text "Pad" at 377.505,96.537 h1.52
  text "Rounded" at 392.487,96.537 h1.52
  text "c170hn170" at 411.43,96.537 h1.52
  text "1" at 262.222,92.727 h1.52
  text "70.87mil (1.800mm)" at 278.727,92.727 h1.52
  text "NPTH" at 307.929,92.727 h1.52
  text "Round" at 320.778,92.727 h1.52
  text "Top Layer - Bottom Layer" at 339.416,92.727 h1.52
  text "Pad" at 377.505,92.727 h1.52
  text "Rounded" at 392.487,92.727 h1.52
  text "c180hn180" at 411.43,92.727 h1.52
  text "2" at 262.222,88.917 h1.52
  text "62.00mil (1.575mm)" at 278.727,88.917 h1.52
  text "PTH" at 307.929,88.917 h1.52
  text "Round" at 320.778,88.917 h1.52
  text "Top Layer - Bottom Layer" at 339.416,88.917 h1.52
  text "Pad" at 377.505,88.917 h1.52
  text "Rounded" at 392.487,88.917 h1.52
  text "c236h157" at 411.43,88.917 h1.52
  text "2" at 262.222,85.107 h1.52
  text "122.05mil (3.100mm)" at 278.727,85.107 h1.52
  text "PTH" at 307.929,85.107 h1.52
  text "Round" at 320.778,85.107 h1.52
  text "Top Layer - Bottom Layer" at 339.416,85.107 h1.52
  text "Pad" at 377.505,85.107 h1.52
  text "Rounded" at 392.487,85.107 h1.52
  text "c465h310" at 411.43,85.107 h1.52
  text "A" at 248.633,84.853 h1.69
  text "2" at 262.222,81.297 h1.52
  text "128.00mil (3.251mm)" at 278.727,81.297 h1.52
  text "NPTH" at 307.929,81.297 h1.52
  text "Round" at 320.778,81.297 h1.52
  text "Top Layer - Bottom Layer" at 339.416,81.297 h1.52
  text "Pad" at 377.505,81.297 h1.52
  text "Rounded" at 392.487,81.297 h1.52
  text "c325hn325" at 411.43,81.297 h1.52
  text "3" at 262.222,77.487 h1.52
  text "55.12mil (1.400mm)" at 278.727,77.487 h1.52
  text "PTH" at 307.929,77.487 h1.52
  text "Round" at 320.778,77.487 h1.52
  text "Top Layer - Bottom Layer" at 339.416,77.487 h1.52
  text "Pad" at 377.505,77.487 h1.52
  text "(Mixed)" at 392.487,77.487 h1.52
  text "(Mixed)" at 411.43,77.487 h1.52
  text "4" at 262.222,73.677 h1.52
  text "32.68mil (0.830mm)" at 278.727,73.677 h1.52
  text "PTH" at 307.929,73.677 h1.52
  text "Round" at 320.778,73.677 h1.52
  text "Top Layer - Bottom Layer" at 339.416,73.677 h1.52
  text "Pad" at 377.505,73.677 h1.52
  text "(Mixed)" at 392.487,73.677 h1.52
  text "(Mixed)" at 411.43,73.677 h1.52
  text "4" at 262.222,69.867 h1.52
  text "45.00mil (1.143mm)" at 278.727,69.867 h1.52
  text "PTH" at 307.929,69.867 h1.52
  text "Round" at 320.778,69.867 h1.52
  text "Top Layer - Bottom Layer" at 339.416,69.867 h1.52
  text "Pad" at 377.505,69.867 h1.52
  text "Rounded" at 392.487,69.867 h1.52
  text "c171h114" at 411.43,69.867 h1.52
  text "4" at 262.222,66.057 h1.52
  text "125.98mil (3.200mm)" at 278.727,66.057 h1.52
  text "PTH" at 307.929,66.057 h1.52
  text "Round" at 320.778,66.057 h1.52
  text "Top Layer - Bottom Layer" at 339.416,66.057 h1.52
  text "Pad" at 377.505,66.057 h1.52
  text "Rounded" at 392.487,66.057 h1.52
  text "c700h320" at 411.43,66.057 h1.52
  text "6" at 262.222,62.247 h1.52
  text "45.28mil (1.150mm)" at 278.727,62.247 h1.52
  text "NPTH" at 307.929,62.247 h1.52
  text "Round" at 320.778,62.247 h1.52
  text "Top Layer - Bottom Layer" at 339.416,62.247 h1.52
  text "Pad" at 377.505,62.247 h1.52
  text "Rounded" at 392.487,62.247 h1.52
  text "c115hn115m115p0" at 411.43,62.247 h1.52
  text "12" at 262.222,58.437 h1.52
  text "40.00mil (1.016mm)" at 278.727,58.437 h1.52
  text "PTH" at 307.929,58.437 h1.52
  text "Round" at 320.778,58.437 h1.52
  text "Top Layer - Bottom Layer" at 339.416,58.437 h1.52
  text "Pad" at 377.505,58.437 h1.52
  text "Rounded" at 392.487,58.437 h1.52
  text "(Mixed)" at 411.43,58.437 h1.52
  text "16" at 262.222,54.627 h1.52
  text "62.99mil (1.600mm)" at 278.727,54.627 h1.52
  text "PTH" at 307.929,54.627 h1.52
  text "Round" at 320.778,54.627 h1.52
  text "Top Layer - Bottom Layer" at 339.416,54.627 h1.52
  text "Pad" at 377.505,54.627 h1.52
  text "Rounded" at 392.487,54.627 h1.52
  text "c245h160m245p0" at 411.43,54.627 h1.52
  text "16" at 262.222,50.817 h1.52
  text "125.98mil (3.200mm)" at 278.727,50.817 h1.52
  text "NPTH" at 307.929,50.817 h1.52
  text "Round" at 320.778,50.817 h1.52
  text "Top Layer - Bottom Layer" at 339.416,50.817 h1.52
  text "Pad" at 377.505,50.817 h1.52
  text "Rounded" at 392.487,50.817 h1.52
  text "c320hn320m320p0" at 411.43,50.817 h1.52
  text "40" at 262.222,47.007 h1.52
  text "43.31mil (1.100mm)" at 278.727,47.007 h1.52
  text "PTH" at 307.929,47.007 h1.52
  text "Round" at 320.778,47.007 h1.52
  text "Top Layer - Bottom Layer" at 339.416,47.007 h1.52
  text "Pad" at 377.505,47.007 h1.52
  text "(Mixed)" at 392.487,47.007 h1.52
  text "(Mixed)" at 411.43,47.007 h1.52
  text "C" at 248.633,46.753 h1.69
  text "73" at 262.222,43.197 h1.52
  text "35.43mil (0.900mm)" at 278.727,43.197 h1.52
  text "PTH" at 307.929,43.197 h1.52
  text "Round" at 320.778,43.197 h1.52
  text "Top Layer - Bottom Layer" at 339.416,43.197 h1.52
  text "Pad" at 377.505,43.197 h1.52
  text "(Mixed)" at 392.487,43.197 h1.52
  text "(Mixed)" at 411.43,43.197 h1.52
  text "171" at 262.222,39.387 h1.52
  text "39.37mil (1.000mm)" at 278.727,39.387 h1.52
  text "PTH" at 307.929,39.387 h1.52
  text "Round" at 320.778,39.387 h1.52
  text "Top Layer - Bottom Layer" at 339.416,39.387 h1.52
  text "Pad" at 377.505,39.387 h1.52
  text "(Mixed)" at 392.487,39.387 h1.52
  text "(Mixed)" at 411.43,39.387 h1.52
  text "900" at 262.222,35.577 h1.52
  text "7.87mil (0.200mm)" at 278.727,35.577 h1.52
  text "PTH" at 307.929,35.577 h1.52
  text "Round" at 320.778,35.577 h1.52
  text "Top Layer - Bottom Layer" at 339.416,35.577 h1.52
  text "Via" at 377.505,35.577 h1.52
  text "Rounded" at 392.487,35.577 h1.52
  text "(Mixed)" at 411.43,35.577 h1.52
  text "(Mixed)" at 436.569,35.577 h1.52
  text "1258 Total" at 262.222,31.767 h1.52

## Dimensions
214.775,7.785 to 214.775,157.46 on Mechanical 1
9.275,157.46 to 214.775,157.46 on Mechanical 1